# KiCad board misrc_v2.5.kicad_pcb (continued)
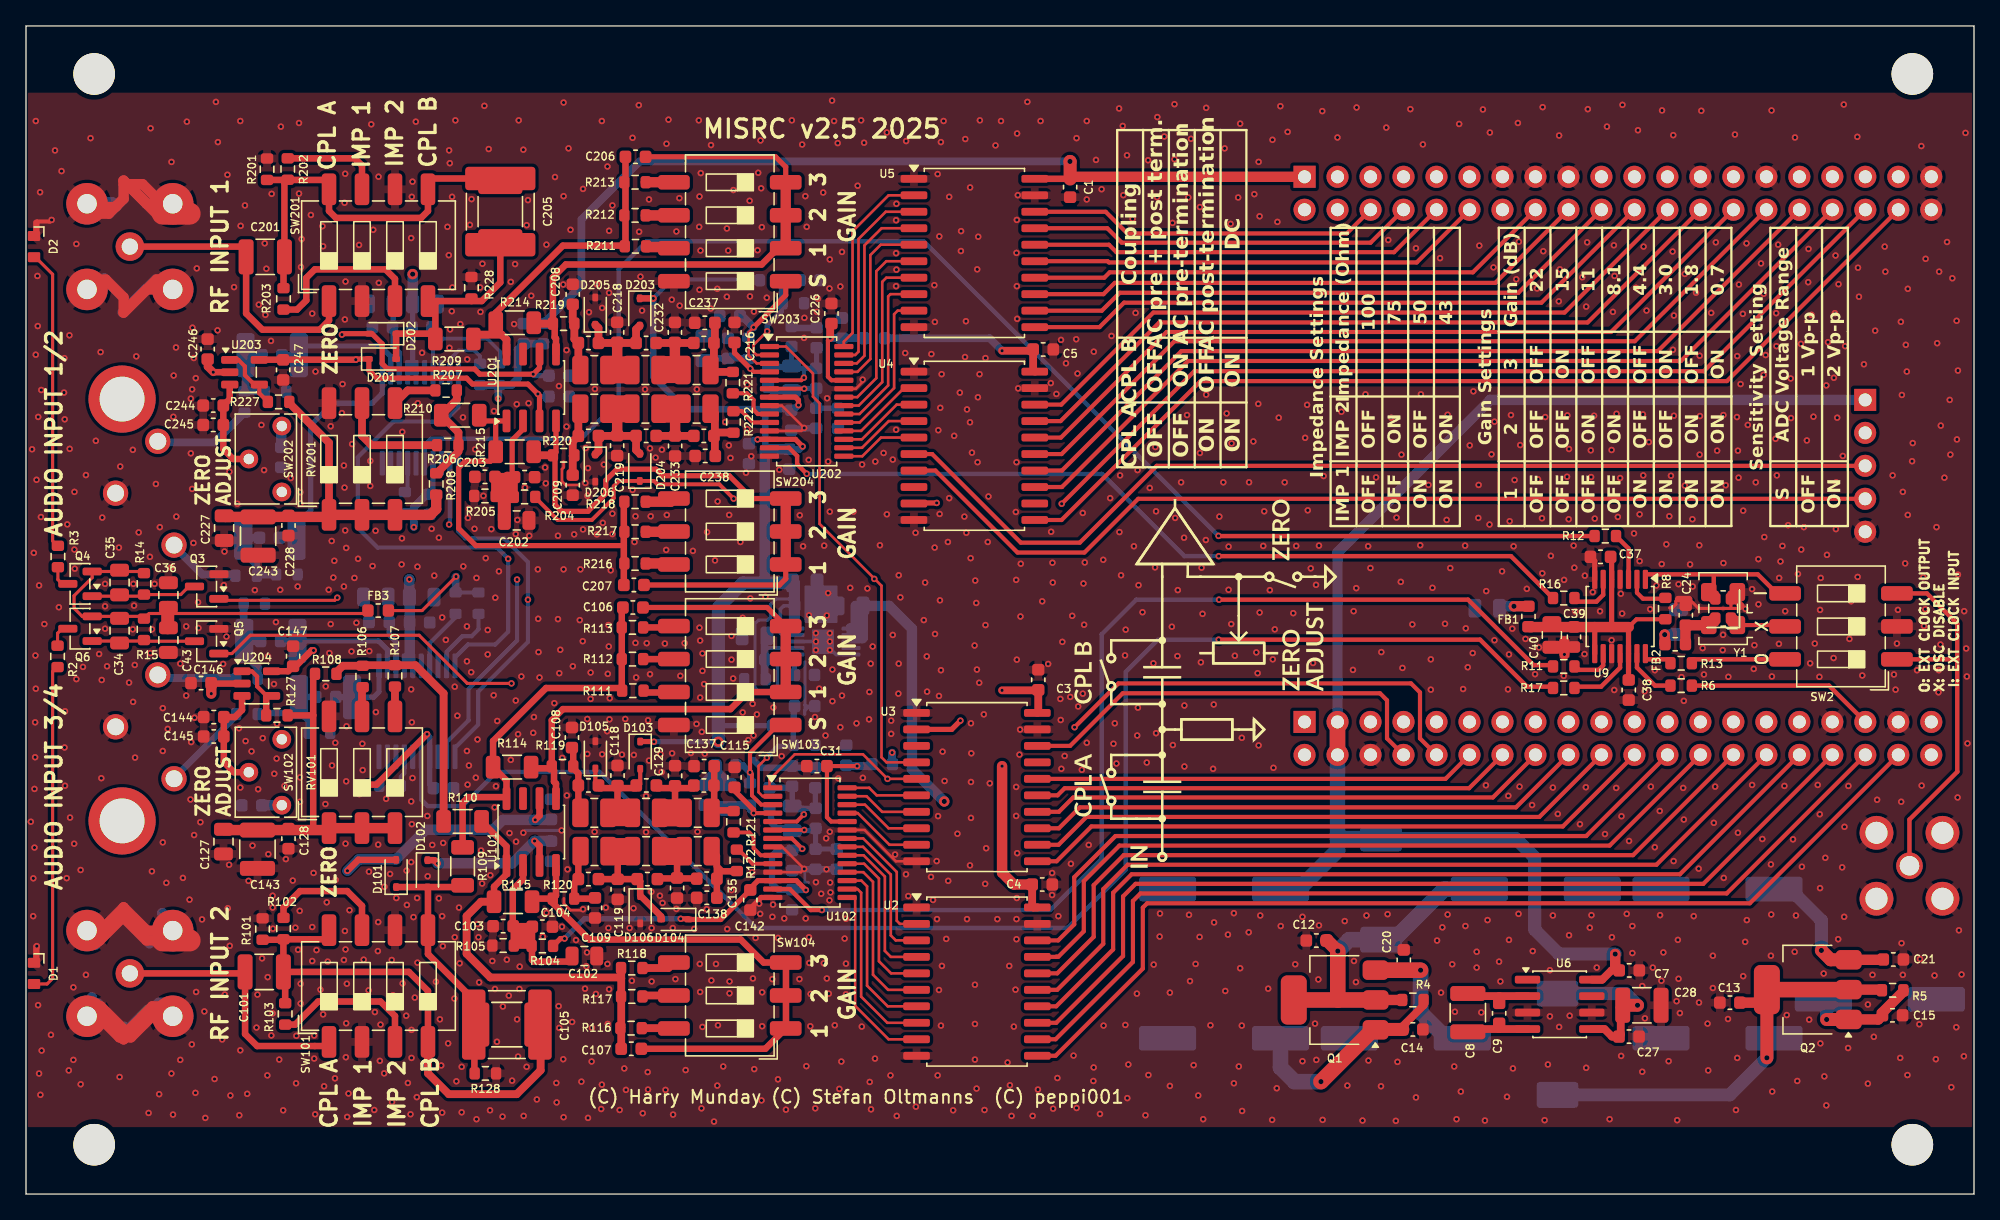
[diagram p0: board, top side]
## Routing (per net, layer and track width the routed paths; a pad name or vN(x,y) marks a point on that pad's centre or on a via; arc(x,y) is an arc through that point) (continued)
VCCQ: length 67.5
  Top w0.24: FB3.1 30.5,44.96 v1(33.12,47.57)
  Top w0.5: v1(26.31,31.55) 26.99,31.55 v1(30.88,35.43)
  In1.Cu w0.4: v1(26.31,31.55) 26.28,31.55
  In1.Cu w0.6: v1(36.37,61.29) 33.42,61.29 29.86,57.73 v1(29.86,51.38) 29.86,50.82 v1(33.12,47.57) 30.88,45.34 v1(30.88,35.43)
  Bottom w0.32: R406.1 33.08,46.35 R408.1
  Bottom w0.4: v1(30.88,35.43) 31.08,35.23 31.08,31.55 C309.2 ; v1(26.31,31.55) 27.2,31.55 27.22,31.53 ; 31.34,56.31 31.34,54.11
  Bottom w0.5: 35.24,62.24 35.41,62.24 ; 35.39,62.34 35.39,62.35
  Bottom w0.6: v1(33.12,47.57) 33.08,47.53 R406.1 ; FB301.2 39.81,65.52 C148.1 37.86,65.06 37.86,62.81 37.39,62.34 36.42,62.34 ; 36.42,62.34 36.37,62.29 v1(36.37,61.29) ; 36.42,62.34 35.39,62.34 ; C409.2 30.88,53.92 29.86,52.91 v1(29.86,51.38)
  Bottom w0.8: R305.1 29.65,52.43
VDD: length 250.6
  Top w0.2: 77.47,37.07 77.93,37.07 78.02,37.15
  Top w0.5: 77.47,78.22 80.38,78.22
  Top w0.6: v1(75.16,38.81) 77.91,38.81 C3.1 77.95,37.14 U3.20 ; U2.20 77.55,22.08 77.48,22.16 C4.1 ; 77.68,63.36 77.55,63.49 C5.1 77.45,64.97 v1(75.16,64.97)
  Top w0.8: FB2.1 126.18,42.39 v2(126.18,43.1) ; J2.1 80.42,78.38 C1.1 ; v1(75.16,32.97) 75.16,24.76 76.07,23.85 C4.1 ; FB1.1 v2(114.57,45.29)
  Top w1: v2(80.39,79.56) 80.4,79.55 80.4,78.21
  In1.Cu w0.6: v1(66.69,34.01) 67.74,32.97 v1(75.16,32.97) 75.15,32.97
  In1.Cu w0.8: J5.2 139.8,58.65 131.74,50.6 131.74,45.87 128.97,43.1 v2(126.18,43.1) 123.74,43.1 123.16,43.69 118.33,43.69 116.73,45.29 v2(114.57,45.29) 105.02,45.29 98.45,38.72 J1.1
  In1.Cu w1: 75.16,39.75 v1(75.16,38.81) v1(75.16,32.97) ; 75.16,39.75 v1(75.16,64.97) 75.16,77.68 77.04,79.56 v2(80.39,79.56) ; 75.16,39.75 91.87,39.75 95.24,36.38 J1.1
  Bottom w0.6: 66.12,65.95 FB201.1 74.19,65.94 v1(75.16,64.97) ; FB301.1 39.85,67.08 42.77,70 42.77,75.08 47.25,79.56 v2(80.39,79.56) ; FB101.1 66.69,33.15 v1(66.69,34.01)
  Bottom w0.8: C42.1 127.23,43.1 v2(126.18,43.1) ; C41.1 113.62,45.29 v2(114.57,45.29)
VDDA: length 170.1
  Top w0.3: v1(54.49,53.58) 53.38,54.69 48.61,54.69 48.35,54.94 D204.1 45.67,54.94 45.26,54.53 45.26,53.62 43.58,51.94 40.94,51.94 39.22,53.66 R204.2 ; 59.83,26.6 59.83,26.65
  Top w0.32: v1(59.78,26.6) 58.97,27.4 U102.7
  Top w0.4: v1(50.41,21.21) 50.98,21.21 51.01,21.18 ; v1(59.8,57.6) 59.25,58.15 U202.12 56.37,58.15 56.36,58.14 ; D103.1 48.34,34.86 v1(48.36,34.85) ; D104.1 53.5,21.15 C142.1 ; U202.7 59.25,61.4 59.48,61.17 v1(59.48,60.78) ; R104.2 41.15,19.68 v1(41.47,19.68) ; 57.25,24.15 59.33,24.15 v1(60.05,23.42) ; U102.12 56.36,24.15 55.72,23.51
  Top w0.5: D203.1 48.3,69.01 v1(48.3,69.01)
  In1.Cu w0.8: v2(53.31,34.85) 53.31,25.98 55.87,23.42 v1(60.05,23.42)
  Bottom w0.24: U7.6 58.07,41.57 57.85,41.35 57.85,38.97 57.65,38.76 56.38,38.76 56.13,39.02 56.13,43.94 56.41,44.22 57.12,44.22 57.32,44.43 57.32,45.42 57.75,45.85 58.76,45.85 59.16,45.44
  Bottom w0.28: 59.17,41.51 U7.6 ; U7.9 58.26,43.07 58.08,43.24 58.08,45.06 58.34,45.32 C26.1
  Bottom w0.3: 56.89,53.59 56.88,53.58 v1(54.49,53.58)
  Bottom w0.32: R224.1 56.45,70.47 49.76,70.47 v1(48.3,69.01)
  Bottom w0.4: C33.2 59.17,41.51 ; 59.83,26.6 59,26.6 C125.1 ; v1(48.36,34.85) v2(53.31,34.85) ; v1(41.47,19.68) 43,21.21 v1(50.41,21.21) ; R124.1 53.31,36.09 ; 56.94,58.14 56,58.14 C242.1
  Bottom w0.5: v1(60.05,23.42) 59.03,23.42 C124.1 57.92,23.45 57.45,23.93 57.45,26.06 57.86,26.47 C125.1 ; v1(59.48,60.78) 59.22,60.53 ; v1(59.8,57.6) 59.58,57.38 58.92,57.38 ; 56.94,60.48 50.79,60.48 48.3,62.97 v1(48.3,69.01) ; 56.94,60.48 56.94,60.48 58.85,60.48 C225.1 ; 56.94,60.48 56.94,57.38
  Bottom w0.8: 58.92,57.38 56.94,57.38 56.89,57.33 56.89,47.07
  Bottom w1: v2(53.31,34.85) 53.31,45.19 55.21,47.09 C25.1
  vias: v1(56.33,58.14)
VDDF: length 3.4
  Top w0.8: 129.42,43.69 Y3.4 129.56,43.82 C24.1 ; FB2.2 127.78,43.75
/Audio_ADC/BCK1: length 118.2
  Top w0.32: J1.10 107.34,35.11 107.34,38.65 106.65,39.34 84.12,39.34 v1(80.74,35.97)
  In2.Cu w0.32: v1(80.74,35.97) 79.75,34.98 72.18,34.98 71.16,35.99 71.16,47.17 69.95,48.39 54.81,48.39 52.22,45.8 v1(38.65,45.8)
  Bottom w0.32: 33.29,56.31 33.29,51.06 33.83,50.52 36.82,50.52 38.65,48.69 v1(38.65,45.8) 38.65,42.54 34.82,38.71 34.82,36.17 33.03,34.39 33.03,33.69
/Audio_ADC/DOUT1: length 63.6
  Top w0.4: 68.17,35.8 71.28,35.8 v1(71.95,36.47)
  In2.Cu w0.32: v1(71.95,36.47) 71.95,47.45 70.28,49.12 54.45,49.12 51.86,46.53 36.7,46.53 32.58,50.65 v1(32.58,51.59)
  Bottom w0.32: 32.64,56.31 32.64,51.64 v1(32.58,51.59)
/Audio_ADC/DOUT2: length 52.6
  Top w0.4: v1(70.12,53.25) 68.22,53.25 68.17,53.2
  In2.Cu w0.32: v1(70.12,53.25) 56.24,53.25 50.34,47.34 v1(37.81,47.34)
  Bottom w0.32: 32.38,33.69 32.38,34.8 34.08,36.5 34.08,38.91 37.81,42.65 v1(37.81,47.34)
/Audio_ADC/LRCK1: length 157.9
  Top w0.32: v1(79.75,53.19) 89.96,63.4 129.19,63.4 J2.36
  In2.Cu w0.32: v1(79.75,53.19) 76.6,53.19 75.34,54.45 53.07,54.45 47.57,48.95 v1(37.13,48.95)
  Bottom w0.32: 33.29,63.32 33.29,60.6 32.2,59.51 28.29,59.51 25.55,56.77 25.55,51.33 27.07,49.81 36.26,49.81 v1(37.13,48.95) 37.13,43.33 36.14,42.34 34.03,42.34 33.03,41.35 33.03,40.7
/Audio_ADC/SCKI1: length 113.3
  Top w0.338: R12.2 91.84,50.7
  Bottom w0.338: U301.15 30.69,57.69 31.18,58.19 42.74,58.19 45.64,61.09 45.64,71.25 47.8,73.41 69.13,73.41 v1(91.83,50.71)
/Audio_ADC/SCKI2: length 116.4
  Top w0.338: v1(91.84,42.71) 111.97,42.71 115.59,39.09 117.58,39.09
  Bottom w0.338: 30.43,33.69 30.43,30.39 30.93,29.9 33.62,29.9 36.25,32.52 44.18,32.52 56.2,20.5 80.18,20.5 84.68,24.99 84.68,40.23 87.16,42.71 v1(91.84,42.71)
/AUX1: length 77.6
  Top w0.32: J5.4 85.64,53.57 81.5,49.43 76.35,49.43 70.03,55.75 U4.7
  Top w0.4: 68.18,55.75 68.17,55.75
/AUX2: length 78.5
  Top w0.32: J5.3 87.06,56.11 81.15,50.19 76.6,50.19 69.77,57.02 U4.6
/clk_in: length 13.4
  Top w0.338: SW2.4 134.82,46.28 133.35,47.75 129.95,47.75 ; 129.95,47.75 124.73,47.75 124.7,47.71 U9.1 ; 129.95,47.75 129.96,47.74 Y1.3
/clk_out: length 7.2
  Top w0.338: SW2.6 128.27,41.2
/DA0: length 14.6
  Top w0.2: 68.17,11.92 66.42,11.92 63.85,14.49 63.85,22.83 63.83,22.85 62.97,22.85
/DA1: length 14.2
  Top w0.2: 62.97,23.5 64.03,23.5 64.31,23.22 64.31,15.21 66.32,13.19 68.17,13.19
/DA2: length 13.7
  Top w0.2: 68.17,14.46 66.35,14.46 64.76,16.05 64.76,23.71 64.33,24.15 62.97,24.15
/DA3: length 13.1
  Top w0.2: 62.97,24.8 64.47,24.8 65.22,24.05 65.22,16.9 66.38,15.73 68.17,15.73
/DA4: length 12.4
  Top w0.2: 62.97,25.45 64.54,25.45 65.68,24.31 65.68,17.94 66.61,17 68.17,17
/DA5: length 11.8
  Top w0.2: 62.97,26.1 64.49,26.1 66.14,24.46 66.14,18.73 66.59,18.27 68.17,18.27
/DA6: length 10.9
  Top w0.2: 62.97,26.75 64.45,26.75 66.59,24.61 66.59,19.92 66.97,19.54 68.17,19.54
/DA7: length 10.1
  Top w0.2: 62.97,27.4 64.46,27.4 67.05,24.82 67.05,21.06 67.29,20.81 68.17,20.81
/DA8: length 6.2
  Top w0.2: 68.17,26.91 66.49,26.91 64.05,29.35 62.97,29.35
/DA9: length 6
  Top w0.2: 68.17,28.18 66.42,28.18 64.6,30 62.97,30
/DA10: length 5.3
  Top w0.2: 67.78,29.45 65.92,29.45 64.72,30.65 62.97,30.65
/DA11: length 5
  Top w0.2: 62.97,31.3 64.92,31.3 65.5,30.72 67.78,30.72
/DB0: length 5.4
  Top w0.2: 67.78,58.28 65.83,58.28 64.4,56.85 U202.15
/DB1: length 6.1
  Top w0.2: 68.17,59.56 66.43,59.56 64.38,57.5 U202.16
/DB2: length 6.3
  Top w0.2: U202.17 64.37,58.15 67.04,60.83 68.17,60.83
/DB3: length 7.2
  Top w0.2: U202.18 64.31,58.8 67.6,62.09 68.17,62.09 67.52,62.09
/DB4: length 12.1
  Top w0.2: 68.17,68.06 67.12,68.06 66.85,67.79 66.85,62.1 64.19,59.45 U202.19
/DB5: length 13
  Top w0.2: 68.17,69.33 66.56,69.33 66.39,69.16 66.39,62.31 64.18,60.1 U202.20
/DB6: length 13.8
  Top w0.2: 68.17,70.6 66.25,70.6 65.93,70.29 65.93,62.56 64.12,60.75 U202.21
/DB7: length 14.4
  Top w0.2: U202.22 64.01,61.4 65.47,62.86 65.47,71.1 66.25,71.87 68.17,71.87
/DB8: length 13.5
  Top w0.2: U202.25 64.03,63.35 65.02,64.34 65.02,72.35 65.81,73.14 67.78,73.14
/DB9: length 14.1
  Top w0.2: 67.78,74.41 65.88,74.41 64.56,73.09 64.56,64.59 63.97,64 U202.26
/DB10: length 14.9
  Top w0.2: U202.27 63.85,64.65 64.1,64.9 64.1,73.58 66.2,75.68 68.17,75.68
/DB11: length 14.8
  Top w0.2: U202.28 62.97,65.67 63.65,66.35 63.65,74.18 66.42,76.95 68.17,76.95
/Input_ADC_CH1/CLK: length 65.6
  Top w0.338: v1(60.12,55.5) 59.38,56.23 59.38,56.87 58.75,57.5 U202.13 ; 117.58,45.77 117.58,45.91 114.34,49.15 v1(91.84,49.15)
  Bottom w0.338: v1(60.12,55.5) 60.13,55.48 82.86,55.48 89.2,49.15 v1(91.84,49.15)
/Input_ADC_CH2/CLK: length 82.9
  Top w0.338: v1(91.87,45.8) 111.04,45.8 116.09,40.75 117.58,40.75 ; U102.13 58.81,23.5 60.43,21.88 v1(61.28,21.88)
  Bottom w0.338: v1(61.28,21.88) 78.87,21.88 82.82,25.83 82.82,43.13 85.49,45.8 v1(91.87,45.8)
/osc_en: length 4.3
  Top w0.32: SW2.5 135.35,43.84 Y3.1 ; Y1.1 131.98,44.19
/OTRA: length 69.4
  Top w0.2: 57.25,31.3 57.25,31.93 59.2,33.88 64.45,33.88 v1(66.34,31.99) 67.78,31.99
  Top w0.24: v1(37.38,39.34) 33.98,39.34 30.27,43.05 17.27,43.05 15.86,41.65 Q5.1
  In2.Cu w0.24: v1(66.34,31.99) 66.33,31.99 64.41,33.91 59.53,33.91 57.19,36.25 55.01,36.25 53.89,37.36 43.02,37.36 41.7,38.68 38.04,38.68 v1(37.38,39.34)
/OTRB: length 90.9
  Top w0.2: 68.17,33.26 66.27,33.26 65.88,33.65 65.88,46.87 61.11,51.64 61.11,60.93 60.6,61.44 60.6,63.22 58.52,65.3 U202.1
  Top w0.24: v1(23.97,45.95) 23.77,45.74 14.46,45.74 14.34,45.86
  In2.Cu w0.24: v1(65.32,47.4) 54.78,47.4 52.44,45.06 24.86,45.06 v1(23.97,45.95)
IN1_L: length 5.6
  Bottom w0.6: 11.4,49.92 13.58,47.74 16.12,47.74
IN1_R: length 7.6
  Bottom w0.6: R301.1 14.53,57.92 10.15,57.92
IN2_L: length 6.9
  Bottom w0.5: 16.19,36.93 16.19,36.84 11.4,32.06 J301.2
IN2_R: length 6.1
  Bottom w0.6: 16.2,39.75 10.31,39.75 10.15,39.92
VD: length 32.1
  Top w0.24: 7.21,47.96 9.01,47.96 9.09,47.89 ; 7.21,47.96 7.21,48.02 ; 7.21,47.96 Q4.2 5.1,47.5 3.7,46.1 3.7,45.14 4.33,44.51 Q6.2 8.91,44.51 R15.1 9.48,44.73 26.27,44.73
  Top w1: 10.92,43.63 10.92,45.2
Net-(C37-Pad1): length 22.3
  Top w0.32: 123.41,43.69 124.01,44.28 R8.2
  Top w0.4: U9.8 120.8,43.69 ; C37.1 122.1,49.02 U9.5 122.1,43.69 122.09,43.69 ; C38.1 123.4,39.63 U9.12 123.4,43.67 123.41,43.69
  Top w0.8: 115.78,43.69 123.41,43.69
Net-(C101-Pad2): length 42.6
  Top w0.2: SW101.8 23.33,19.78 23.18,19.63
  Top w0.5: R102.2 19.8,19.59 R101.2 ; R102.2 23.18,19.63 ; R102.2 19.82,19.62 C101.2 ; C101.2 19.96,16.98 19.96,14.71 ; C101.2 29.49,17.11 30.95,15.65 30.95,12.5
  Top w0.6: 39.63,13.18 39.63,9.53 37.79,7.7 32.56,7.7 30.95,9.3 30.95,12.5
Net-(C106-Pad2): length 43.4
  Top w0.4: SW103.4 57.07,45.19 47.51,45.19
  Top w0.5: 40.49,32.8 40.66,32.63 40.66,31.77 40.81,31.62 U101.5 ; 40.49,32.8 40.49,36.51 41.34,37.36 54.25,37.36 55.57,38.68 SW103.2 ; 40.49,32.8 38.98,32.8 R114.2
  Top w0.8: SW103.3 58.5,41.25 ; 58.5,41.25 SW103.4 ; 58.5,41.25 SW103.2
Net-(C107-Pad2): length 41.4
  Top w0.5: U101.4 40.81,23.01 R120.1 ; R120.1 40.56,22.42 43.38,19.61 55.03,19.61 56.8,17.84 58.52,17.84 58.52,12.76 ; R120.1 40.61,22.76 ; R120.1 39.2,22.76 R115.2 ; C107.2 56.94,11.19 SW104.1
Net-(C108-Pad2): length 5.4
  Top w0.5: 42.69,29.19 42.53,29.35 42.53,32.41 42.14,32.8 42.14,34.22 42.04,34.32
Net-(C109-Pad1): length 5.6
  Top w0.5: C109.1 43.75,22.76 R120.2 ; 42.16,22.71 R120.2 ; R120.2 42.21,23.95 C117.1 42.53,26.29 42.7,26.46
Net-(C127-Pad1): length 27.6
  Top w0.5: R127.1 22.12,36.88 ; 22.12,36.88 22.12,40.21 22.12,40.21 22.25,40.21 ; 22.12,36.88 22.12,28.04
  Top w0.8: C127.1 15.27,28.04 C143.2 23.18,28.04 SW102.1 SW102.3
Net-(C129-Pad2): length 6.8
  Top w0.5: 49.93,29.19 49.98,29.24 49.98,31.27 ; 49.93,29.19 50.65,29.19 ; 49.93,29.19 48.82,29.19 ; 51.42,31.28 51.42,31.28 48.54,31.28
Net-(C130-Pad2): length 7
  Top w0.5: 50.13,24.41 50.13,26.25 49.93,26.46 ; 51.65,24.28 51.61,24.32 48.62,24.32 ; 48.83,26.46 49.93,26.46 ; 49.93,26.46 50.65,26.46
Net-(C134-Pad2): length 6.1
  Top w0.5: 52.97,31.28 52.97,31.33 52.99,31.34 ; R121.1 54.43,29.56 52.99,29.56 52.99,30.33 ; 52.99,32.84 52.99,31.34 ; 52.99,31.34 52.99,30.33 ; 52.8,29.19 52.99,29.39 52.99,30.33
Net-(C135-Pad2): length 5.6
  Top w0.5: R122.1 54.36,24.89 54.34,24.87 53.58,24.87 53.2,25.25 ; 53.2,25.25 53.2,26.06 52.8,26.46 ; 53.2,25.25 53.2,22.7
Net-(C201-Pad2): length 31.6
  Top w0.5: C205.1 31.28,78.25 30.95,77.92 30.95,75.74 30.42,75.21 23.87,75.21 23.33,75.74 23.33,78.03 23.23,78.14 20.11,78.14 ; 20.11,78.14 20.12,78.15 R202.2 19.9,77.89 C201.2 19.83,72.13 R203.2 ; 20.11,78.14 R201.2
Net-(C206-Pad2): length 43.7
  Top w0.4: 47.71,79.92 57.72,79.92 58.5,79.14 SW203.4
  Top w0.5: SW203.2 57.9,72.88 56.65,71.62 41.57,71.62 40.58,70.63 R219.1 40.71,66.93 40.71,66.01 40.81,65.91 U201.5
  Top w0.6: 39.09,67.07 40.57,67.07 R219.1
  Top w0.8: SW203.4 58.5,75.41 ; 58.5,75.41 58.5,75.42 ; 58.5,75.41 SW203.2
Net-(C207-Pad2): length 46.4
  Top w0.4: SW204.3 55.9,53.59 54.15,55.35 49.02,55.35 48.51,55.85 45.51,55.85 44.65,54.99 44.65,53.97 43.28,52.6 41.24,52.6 40.74,53.11 40.74,56.76 R220.1 40.81,57.16 U201.4 ; SW204.1 58.5,47.41 58.02,46.93 C207.2
  Top w0.6: R215.2 39.36,56.92 R220.1
  Top w0.8: SW204.3 SW204.1
Net-(C208-Pad2): length 5.3
  Top w0.6: C208.2 42.1,67.19 R219.2 42.22,65.88 C210.1 42.53,63.64 L201.1
Net-(C209-Pad1): length 5.5
  Top w0.6: 42.1,56.87 42.15,56.92 R220.2 ; 42.1,56.87 C209.1 ; 42.1,56.87 42.1,57.98 C217.1 42.53,60.35 L202.2
Net-(C227-Pad1): length 27.7
  Top w0.6: R227.1 20.28,60.95 23.33,57.89 SW202.1
  Top w0.8: C227.1 15.34,52.17 C243.2 23.18,52.17 SW202.1 SW202.3 31.14,52.33 31.59,52.78 R208.2
Net-(C229-Pad2): length 6.9
  Top w0.6: C234.1 C229.2
  Top w0.8: 49.68,63.49 49.97,63.78 C232.2 ; 49.68,63.49 L203.2 ; 49.68,63.49 L205.1
Net-(C230-Pad2): length 6.9
  Top w0.6: C230.2 C235.1
  Top w0.8: L204.1 49.68,60.51 ; 49.68,60.51 49.98,60.2 C233.2 ; 49.68,60.51 L206.2
Net-(C234-Pad2): length 5.5
  Top w0.6: C237.2 53.05,65.65 C234.2 52.97,63.75 L205.2 52.86,63.34 54.38,63.34
Net-(C235-Pad2): length 5.4
  Top w0.6: L206.1 53.05,60.17 53.05,56.87 ; C235.2 53.23,58.67 54.5,58.67
Net-(C302-Pad1): length 7.1
  Bottom w0.5: C302.1 16.91,64.64 C303.1
  Bottom w0.6: R303.2 18.36,61.86 R301.2 16.91,61.95 C302.1 16.87,64.67 ; 16.86,64.52 16.86,65.9
Net-(C304-Pad1): length 6
  Bottom w0.6: 17.97,50.56 C304.1 16.74,50.57 C305.1 16.73,49.53 17.72,48.54 17.72,47.74 17.73,47.73 R304.2
Net-(C402-Pad1): length 7.5
  Bottom w0.6: R403.2 16.76,42.66 C402.1 ; 17.85,39.75 17.85,40.59 16.81,41.63 C402.1 ; C402.1 16.82,42.6 C403.1 18.05,42.61
Net-(C404-Pad1): length 8.5
  Bottom w0.5: 17.84,37.06 20.57,37.06 21.02,37.51 C405.1 21.02,37.22 21.77,36.46 R404.2 ; C404.1 21.03,38.3
Net-(D1-A): length 25.7
  Top w0.24: 0.8,16.19 1.62,16.19 2.05,16.61 2.05,40.26 2.39,40.6 R2.2 2.37,40.6
Net-(D2-A): length 22.9
  Top w0.24: R3.2 2.42,49.95 2.05,50.32 2.05,70.87 0.8,72.12 0.8,72.19
Net-(D101-K): length 20.8
  Top w0.5: 33.62,23.66 33.61,23.65 D101.1 ; 34.58,9.47 34.53,9.52 34.53,14.92 30.95,18.49 30.95,23.58 D102.2
Net-(D103-A): length 9.8
  Top w0.32: 46.99,31.28 47.3,31.58 47.3,32.61 ; 44.08,31.28 43.84,31.52 43.84,32.56
  Top w0.5: 45.55,31.37 45.55,29.25 45.48,29.19 ; 44.08,31.28 46.99,31.28 ; 45.48,29.19 46.67,29.19 ; 45.48,29.19 44.84,29.19
Net-(D104-A): length 11.3
  Top w0.32: 43.86,24.05 C117.2
  Top w0.5: 48.91,21.18 48.91,21.39 47.29,23.01 47.29,24.1 47.07,24.32 47.02,24.26 C117.2 ; C119.2 45.56,26.28 45.74,26.46 ; 44.85,26.46 45.74,26.46 ; 45.74,26.46 46.67,26.46
Net-(D201-A): length 17.4
  Top w0.4: R228.1 34.3,68.81 34.31,68.8
  Top w0.5: 28.5,64.34 28.5,66.27 D202.1 31.11,66.29 R209.1 31.52,68.63 31.69,68.8 ; 31.69,68.8 SW201.4 ; 31.69,68.8 35.09,68.8 36.52,70.23 C205.2
Net-(D203-A): length 9.8
  Top w0.6: D203.2 46.98,66.62 46.98,65.57 C210.2 44.08,66.73 D205.1
  Top w0.8: L201.2 45.61,63.49 ; 45.61,63.49 45.52,63.58 C218.2 ; 45.61,63.49 L203.1
Net-(D204-A): length 9.9
  Top w0.6: 47.26,57.04 46.98,57.33 46.98,58.41 C217.2 44.08,57.23 D206.1
  Top w0.8: 45.87,60.51 L204.2 ; 45.87,60.51 45.52,60.16 45.52,58.44 ; 45.87,60.51 L202.1
Net-(J1-DQ0): length 78.7
  Top w0.32: U2.11 79.28,10.65 86,17.37 86,22.07 86.33,22.4 132.74,22.4 J1.38
Net-(J1-DQ1): length 75.6
  Top w0.32: J1.36 130.96,23.16 85.82,23.16 85.24,22.58 85.24,17.88 79.28,11.92 U2.12
Net-(J1-DQ2): length 72.5
  Top w0.32: J1.34 129.15,23.9 85.44,23.9 84.47,22.94 84.47,18.34 79.33,13.19 U2.13
Net-(J1-DQ3): length 69.3
  Top w0.32: U2.14 79.33,14.46 83.71,18.85 83.71,23.22 85.13,24.64 127.35,24.64 J1.32
Net-(J1-DQ4): length 66.1
  Top w0.32: J1.30 125.55,25.37 84.83,25.37 82.95,23.49 82.95,19.28 79.41,15.73 U2.15
Net-(J1-DQ5): length 62.9
  Top w0.32: U2.16 79.41,17 82.21,19.81 82.21,23.8 84.52,26.11 123.74,26.11 J1.28
Net-(J1-DQ6): length 59.8
  Top w0.32: J1.26 121.94,26.85 84.19,26.85 81.45,24.1 81.45,20.24 79.5,18.29 79.34,18.29 79.33,18.27 U2.17
Net-(J1-DQ7): length 56.6
  Top w0.32: J1.24 120.14,27.58 83.89,27.58 80.71,24.41 80.71,20.78 79.48,19.54 U2.18
Net-(J1-DQ8): length 49.4
  Top w0.32: J1.22 118.33,28.32 82.04,28.32 79.36,25.64 U3.11
Net-(J1-DQ9): length 46.3
  Top w0.32: U3.12 79.51,26.91 81.65,29.06 116.53,29.06 J1.20
Net-(J1-DQ10): length 43.2
  Top w0.32: U3.13 79.53,28.18 81.15,29.79 114.73,29.79 J1.18
Net-(J1-DQ11): length 40.2
  Top w0.32: J1.16 112.95,30.56 80.64,30.56 79.53,29.45 U3.14
Net-(J1-DQ12): length 37.1
  Top w0.32: J1.14 111.12,31.27 79.98,31.27 79.43,30.72 U3.15
Net-(J1-DQ13): length 34
  Top w0.32: J1.12 109.3,31.99 U3.16
Net-(J1-DQ15): length 33.6
  Top w0.32: J1.8 104.8,35.11 104.8,38.04 104.26,38.58 84.45,38.58 80.4,34.53 U3.18
Net-(J1-PCLK): length 14.5
  Top w0.338: J1.35 138.83,39.17 R6.2
Net-(J2-DQ16): length 76.4
  Top w0.32: U4.11 79.74,51.94 90.44,62.64 130.97,62.64 J2.38
Net-(J2-DQ18): length 70.3
  Top w0.32: J2.34 127.44,64.19 89.48,64.19 79.77,54.47 U4.13
Net-(J2-DQ19): length 67.2
  Top w0.32: J2.32 125.66,64.95 88.97,64.95 79.77,55.75 U4.14
Net-(J2-DQ20): length 64.1
  Top w0.32: J2.30 123.88,65.71 88.44,65.71 79.74,57.02 U4.15
Net-(J2-DQ21): length 61.1
  Top w0.32: J2.28 122.05,66.42 87.83,66.42 79.69,58.28 77.68,58.28
Net-(J2-DQ22): length 58
  Top w0.32: J2.26 120.25,67.16 87.27,67.16 79.67,59.56 U4.17
Net-(J2-DQ23): length 54.9
  Top w0.32: U4.18 79.72,60.83 86.81,67.92 118.47,67.92 J2.24
Net-(J2-DQ24): length 49.9
  Top w0.32: J2.22 116.69,68.68 84.55,68.68 82.66,66.79 U5.11
Net-(J2-DQ25): length 46.9
  Top w0.32: J2.20 114.91,69.44 84.22,69.44 82.84,68.06 U5.12
Net-(J2-DQ26): length 43.8
  Top w0.32: U5.13 82.97,69.33 83.84,70.2 113.14,70.2 J2.18
Net-(J2-DQ27): length 40.7
  Top w0.32: J2.16 111.41,71.02 83.45,71.02 83.03,70.6 U5.14
Net-(J2-DQ28): length 35.2
  Top w0.32: J2.12 107.09,71.78 83.38,71.78 83.29,71.87 U5.15
Net-(J2-DQ29): length 32.5
  Top w0.32: U5.16 83.39,73.14 83.97,72.57 105.34,72.57 J2.10
Net-(J2-DQ30): length 29.9
  Top w0.32: J2.8 103.53,73.3 84.37,73.3 83.26,74.41 U5.17
Net-(J2-DQ31): length 27.3
  Top w0.32: U5.18 83.14,75.68 84.8,74.02 101.71,74.02 J2.6
Net-(J4-Pin_1): length 30.9
  Top w0.32: 144.54,46.36 144.45,46.28 SW2.3
  Top w0.338: SW2.1 148.71,41.2 ; SW2.3 146.37,46.28 148.71,43.94 148.71,32.54 145.03,28.86 J4.1
Net-(J101-Signal): length 21.2
  Top w0.5: 16.83,17.15 16.87,17.11 ; 16.87,17.11 16.76,17 7.64,17 ; 16.87,17.11 16.87,12.33 17.8,11.4 23.26,11.4 23.33,11.48 SW101.1
Net-(J201-Signal): length 22.6
  Top w0.5: 16.95,72.21 16.95,72.88 16.83,73 8.11,73 ; 16.95,72.21 16.95,72.21 ; 16.95,72.21 16.95,67.85 18.21,66.6 22.62,66.6 23.33,67.31 SW201.1 ; 8.12,72.22 8.11,72.21
Net-(Q1-B): length 16.7
  Top w0.6: 103.95,12.68 Q1.1 ; C14.1 106.02,12.94 107.62,14.54 R4.2
  Top w1: C14.1 103.95,12.68
  Top w1.2: Q1.1 103.71,12.65 v2(99.71,8.66)
  Bottom w1.2: v2(99.71,8.66) 97.68,8.66 96.6,9.74 C16.1
Net-(Q2-B): length 8.6
  Top w0.8: Q2.1 142.62,13.45 C15.1 142.95,13.99 144.56,15.6 ; 144.58,15.67 R5.2
  Top w1: v2(138.65,13.45) Q2.1
  Bottom w1: C17.2 138.65,14.75 v2(138.65,13.45)
Net-(Q2-C): length 37.2
  Top w0.8: C13.1 133.94,14.75 134.05,14.85 Q2.2 ; Q2.2 142.86,15.75
  Top w1: Q2.2 v2(134.05,10.5)
  Top w1.2: Q2.2 Q2.2
  Bottom w1: L2.2 131.2,7.64 v2(134.05,10.5) 134.05,11.45 C11.2 133.56,12
Net-(Q3-D): length 7.7
  Top w0.24: Q4.1 8.96,46.06 R14.2 11.92,46.19 12.47,46.74 12.47,46.81
Net-(Q4-D): length 2.3
  Top w0.24: 2.74,47.01 Q4.3 2.79,47.01 2.46,47.34 R3.1
Net-(Q5-D): length 7.4
  Top w0.24: 12.47,42.6 9.18,42.6 R15.2 9.01,42.61 Q6.1
Net-(Q6-D): length 2.4
  Top w0.24: R2.1 2.43,43.2 2.79,43.56 Q6.3 2.74,43.56
Net-(R102-Pad1): length 8.9
  Top w0.5: 25.87,21.11 25.87,22.2 24.73,23.34 21.1,23.34 19.83,22.07 R102.1
Net-(R103-Pad1): length 10.9
  Top w0.5: R103.1 20.72,13.06 22.5,14.83 27.3,14.83 28.41,13.72 28.41,12.5
Net-(R106-Pad1): length 19.2
  Top w0.6: 23.9,40.21 24.4,40.7 R106.1 25.97,40.75 R107.1 29.98,40.75 32.16,38.57 R110.1
Net-(R106-Pad2): length 2.3
  Top w0.6: R106.2 25.87,39 SW102.5
Net-(R107-Pad2): length 2.3
  Top w0.6: R107.2 28.41,36.81 SW102.4
Net-(R111-Pad2): length 2.4
  Top w0.5: SW103.7 49.86,38.64 47.53,38.64
Net-(R112-Pad2): length 2.4
  Top w0.5: R112.2 49.89,41.22 SW103.6
Net-(R113-Pad2): length 2.4
  Top w0.5: SW103.5 49.79,43.66 R113.2
Net-(R116-Pad2): length 2.5
  Top w0.6: R116.2 49.87,12.78 SW104.6
Net-(R117-Pad2): length 2.4
  Top w0.6: SW104.5 47.55,15.3 R117.2
Net-(R118-Pad2): length 2.6
  Top w0.6: SW104.4 49.46,17.41 R118.2
Net-(R202-Pad1): length 7.8
  Top w0.5: 25.87,77.41 25.87,79.25 25.32,79.8 R202.1
Net-(R203-Pad1): length 12.9
  Top w0.5: 19.83,68.15 20.87,68.15 21.58,68.86 21.58,70.59 22.24,71.25 27.68,71.25 28.41,70.51 SW201.3
Net-(R206-Pad1): length 8
  Top w0.6: R207.1 33.17,61.21 R210.1 33.3,58.68 R206.1 33.3,57.21 31.84,55.75 31.84,55.54
Net-(R206-Pad2): length 8.6
  Top w0.6: R206.2 26.6,57.7 25.87,58.42 SW202.5
Net-(R207-Pad2): length 3.5
  Top w0.6: 31.53,61.92 29.39,61.92 SW202.4
Net-(R211-Pad2): length 2.2
  Top w0.8: 47.73,72.96 49.8,72.96 SW203.7
Net-(R212-Pad2): length 2.2
  Top w0.8: R212.2 49.88,75.41 49.89,75.42
Net-(R213-Pad2): length 2.2
  Top w0.8: R213.2 49.89,77.96 SW203.5
Net-(R216-Pad2): length 2.2
  Top w0.8: SW204.6 49.81,48.58 R216.2
Net-(R217-Pad2): length 2.2
  Top w0.8: SW204.5 49.87,51.03 R217.2
Net-(R218-Pad2): length 2.3
  Top w0.8: SW204.4 49.64,53.34 R218.2
Net-(U6-CAP+): length 5.2
  Top w0.6: 113.43,15.25 111.22,15.25 C8.1 ; 113.43,15.25 U6.2 ; 113.43,15.25 113.44,15.25 C9.1
Net-(U6-CAP-): length 5.1
  Top w0.6: C9.2 113.44,12.71 113.43,12.71 ; 113.43,12.71 111.23,12.71 C8.2 ; 113.43,12.71 U6.4
Net-(U6-VOUT): length 13.5
  Top w0.6: 122.8,14.39 122.8,12.27 C27.2 122.13,12.13 121.55,12.71 U6.5
  Top w0.8: 123.03,14.54 C28.2 ; C28.2 122.8,14.39 ; C28.2 122.87,14.46 122.87,13.65
  Top w1: C28.2 v2(124.09,14.54)
  Bottom w1: L2.1 123.19,15.44 v2(124.09,14.54)
Net-(U7-SET): length 5
  Bottom w0.28: U7.7 57.21,42.07
  Bottom w0.6: 56.88,43 56.88,41.45 ; 56.88,41.07 56.88,39.59
Net-(U9-1G): length 3.5
  Top w0.32: U9.2 124.05,46.33 124.5,45.87 126.03,45.87 126.19,46.03 126.23,46.03
Net-(U9-Y0): length 3.7
  Top w0.338: R12.1 123.4,49.74 U9.3
Net-(U9-Y1): length 2.3
  Top w0.338: 126.62,41.2 124.76,41.2 124.7,41.26 U9.14
Net-(U9-Y2): length 5.2
  Top w0.338: 119.23,39.09 121.28,39.09 122.75,40.56 U9.11
Net-(U9-Y3): length 4.2
  Top w0.338: 126.62,39.17 125.44,39.17 124.05,40.56 U9.13
Net-(U9-Y4): length 3.5
  Top w0.338: U9.6 121.45,46.17 120.92,45.64 119.32,45.64
Net-(U9-Y5): length 3.4
  Top w0.338: 119.23,40.75 119.6,40.39 121.1,40.39 121.45,40.73 U9.9
Net-(U101-+): length 29.9
  Top w0.5: 45.88,43.66 45.88,45.11 C106.1 ; 45.88,43.66 45.88,41.25 ; 45.88,43.66 R113.1 ; 33.62,26.59 33.62,30.15 34.06,30.58 36.89,30.58 U101.8 37,31.86 R114.1 35.97,34.91 40.05,38.99 45.88,38.99 45.88,41.25 ; 45.88,41.25 R112.1
Net-(U101--): length 31.9
  Top w0.5: R115.1 36.04,23.68 37,24.64 U101.1 37,26.79 R110.2
  Top w0.6: 45.82,17.42 R118.1 45.83,17.4 45.83,16.61 ; R115.1 35.04,22.52 33.93,21.41 33.93,18.52 35.76,16.69 45.76,16.69 45.83,16.61 ; 45.83,12.81 45.81,12.78 R116.1 ; 45.83,12.81 C107.1 ; 45.83,12.81 45.83,15.22 ; 45.83,16.61 45.83,15.22 ; 45.83,15.22 45.83,15.22 R117.1
Net-(U101-VCM): length 16.4
  Top w0.5: C103.1 38.98,20.64 39.01,20.67 38.96,20.62 38.96,19.12 ; C103.1 37.48,20.67 37.48,23.47 38.27,24.26 U101.2 ; C103.1 37.57,20.59 R105.2 38.93,19.15 38.96,19.12 ; C103.1 37.61,20.74 ; 38.96,19.12 38.96,18.05 39.11,17.91 41.99,17.91 42.21,18.13
  Top w1: 38.3,19.5 38.3,20.3
Net-(U102-DRVDD): length 9.8
  Top w0.32: 62.97,28.7 62.01,28.7 61.67,29.03 61.67,32.97 v1(64,32.97)
  Bottom w0.4: 64.03,33 v1(64,32.97)
  Bottom w0.6: FB101.2 65,32.97 v1(64,32.97) 63.22,32.97 C126.1
Net-(U102-IN): length 4
  Top w0.3: 57.25,26.1 56.57,26.1 56.03,26.64 56.03,27.53 55.7,27.86 R121.2
Net-(U102-MODE): length 9.6
  Top w0.2: 56.9,33.47 v1(57.05,33.62) 56.41,32.98 56.41,30.96 56.72,30.65 57.25,30.65
  Bottom w0.4: 59.08,36.08 59.08,34.51 59.07,34.5 57.92,34.5 v1(57.05,33.62)
  Bottom w0.5: 59.12,36.13 59.12,37.53 C140.1
Net-(U102-REFB): length 10
  Top w0.3: v1(59.9,29.25) 59.35,28.7 57.25,28.7
  Bottom w0.4: 59,31.43 C136.2 59.17,29.72 59.84,29.72 ; 59.84,29.72 59.84,29.31 v1(59.9,29.25) ; 59.84,29.72 60.8,29.72 60.78,29.75 C114.2
  Bottom w0.5: 57.38,31.3 59,31.3
Net-(U102-REFT): length 10.9
  Top w0.3: 57.25,28.05 v1(59.92,28.05)
  Bottom w0.2: 59.12,28.05 59,28.17
  Bottom w0.4: C136.1 60.62,28 C121.1 C112.2 C111.2
  Bottom w0.5: 57.38,29.75 57.38,28.62 57.83,28.17 59,28.17
Net-(U102-SENSE): length 11.6
  Top w0.2: 58.05,36.14 57.7,35.79 ; SW103.1 58.06,36.14 58.06,36.14
  Top w0.3: 57.25,30 56.61,30 55.9,30.71 55.9,32.34 v1(55.75,32.49)
  Top w0.32: SW103.1 57.9,36.14 55.75,33.99 v1(55.75,32.49)
  Bottom w0.5: 55.75,31.75 v1(55.75,32.49) 55.21,33.03 C139.1
Net-(U102-VREF): length 8.2
  Top w0.32: v1(56.03,29.35) 57.25,29.35
  Top w0.4: C115.1 54.56,31.07 56.03,29.6 v1(56.03,29.35)
  Bottom w0.5: v1(56.03,29.35) 55.75,29.63 55.75,30.1
  Bottom w0.6: R123.1 55.72,29.97 C116.1
Net-(U102-~{IN}): length 3.2
  Top w0.3: U102.10 55.95,25.45 54.86,26.54 R122.2
Net-(U201-+): length 24.2
  Top w0.5: 46.16,75.46 46.1,75.41 R212.1 ; 46.16,75.46 46.16,77.9 ; 46.16,75.46 46.16,73.05 46.08,72.96 46.08,72.93 45.93,73.08 41.34,73.08 36.17,67.9 36.17,67.14 R214.1 ; R213.1 46.1,77.96 46.16,77.9 ; 46.16,77.9 C206.1
  Top w0.6: R209.2 34.45,66.03 34.64,66.22 36.62,66.22 37,65.84 U201.8
Net-(U201--): length 32.8
  Top w0.4: U201.1 36.21,59.57 ; 36.21,59.57 35.34,59.57 R210.2 ; 36.21,59.57 36.17,59.52 R215.1 36.17,56.87 35.76,56.46 33.83,56.46 33.32,55.96 33.32,51.28 34.64,49.96 46.03,49.96
  Top w0.5: R216.1 46.08,48.53 46.03,48.49 ; R217.1 46.03,51.03 ; 46.03,51.03 46.03,48.49 ; 46.03,51.03 46.03,53.3 R218.1 ; 46.03,48.49 C207.1
Net-(U201-VCM): length 14.3
  Top w0.4: U201.2 38.27,58.93 37.43,58.09 37.43,55.42 C204.1 37.48,55.37
  Top w0.6: 37.49,53.79 R204.1 37.57,55.18 C204.1 37.59,55.26 C203.1 36.12,53.84 R205.2 37.49,53.79
  Top w0.8: 36.83,55.01 37.08,55.26
  Top w1: 36.83,51.96 36.83,55.01
Net-(U202-DRVDD): length 8.1
  Top w0.32: U202.24 62.03,62.7 61.75,62.97 61.75,65.78 v1(61.92,65.95)
  Top w0.6: v1(61.92,65.95) 61.92,66.96 62.02,67.05
  Bottom w0.6: v1(61.92,65.95) 64.52,65.95 FB201.2
Net-(U202-IN): length 4
  Top w0.32: U202.9 56.35,60.1 56.03,60.43 56.03,61.19 55.52,61.69 54.38,61.69
Net-(U202-MODE): length 9.2
  Top w0.2: v1(57.08,66.47) 56.03,65.42 56.03,64.88 56.25,64.65 U202.2
  Bottom w0.4: v1(57.08,66.47) 57.08,66.92 58.16,68.01 R224.2
  Bottom w0.5: C240.1 58.17,70.41 R224.2
Net-(U202-REFB): length 10.4
  Top w0.3: U202.5 59.7,62.7 v1(59.9,62.9)
  Bottom w0.3: v1(59.9,62.9) 59.9,63.61
  Bottom w0.4: 58.95,65.17 58.95,63.62 ; C214.2 60.88,63.65 C221.2 59.12,63.62 C236.2
  Bottom w0.5: C236.2 58.88,63.73 C220.2
Net-(U202-REFT): length 9.7
  Top w0.3: U202.6 v1(59.92,62.05)
  Bottom w0.4: C211.2 C212.2 60.85,62.08 59.95,62.08 v1(59.92,62.05) 59.9,62.08 58.95,62.08
  Bottom w0.5: C236.1 57.43,61.9 C220.1
Net-(U202-SENSE): length 11.3
  Top w0.2: v1(56.03,66.78) 56.03,66.7 ; v1(56.03,66.78) 55.95,66.78 ; v1(56.03,66.78) 55.64,66.39 55.64,64.62 56.26,64 U202.3
  Top w0.4: SW203.1 58.5,69.25 v1(56.03,66.78)
  Bottom w0.32: v1(56.03,66.78) 55.62,66.37 R223.2
  Bottom w0.6: C239.1 55.15,67.65 v1(56.03,66.78)
Net-(U202-VREF): length 8.3
  Top w0.32: U202.4 56.02,63.35 v1(55.77,63.6)
  Top w0.4: v1(55.77,63.6) 54.56,64.82 C216.1
  Bottom w0.32: R223.1 55.62,63.75 v1(55.77,63.6)
  Bottom w0.5: R223.1 55.58,64.38 C215.1 52.45,64.38 C231.1
Net-(U202-~{IN}): length 3.1
  Top w0.32: U202.10 55.99,59.45 55.11,60.33 54.5,60.33
Net-(U203-+): length 7.5
  Top w0.5: U203.3 15.69,61.25 C244.1 C245.1 15.2,57.39 15.95,56.64 RV201.2
Net-(U203--): length 5.1
  Top w0.32: R227.2 17.97,61.69 U203.4 17.58,62.37 16.86,63.09 16.86,63.77 16.35,64.27 U203.1
Net-(U204-+): length 8.4
  Top w0.5: U204.3 16.64,37.29 16.1,36.75 C144.1 15.23,33.27 16.01,32.5 RV101.2
Net-(U204--): length 5.4
  Top w0.32: U204.4 18.53,38.38 17.8,39.12 17.8,39.88 17.39,40.28 U204.1
  Top w0.5: R127.2 18.5,38.29 18.59,38.38 U204.4
Net-(U301-FMT0): length 2.3
  Bottom w0.32: R305.2 29.39,54.3 29.39,56.31
Net-(U301-FSYNC): length 4.4
  Bottom w0.28: U301.9 32.64,64.32 33.32,65 34.51,65 34.97,64.54 R308.2
Net-(U301-PDWN_N): length 8.6
  Bottom w0.28: 31.34,63.32 31.34,65.1 32.15,65.91 35.5,65.91 36.49,64.92 36.49,63.99
Net-(U301-VINL): length 18.6
  Bottom w0.4: C305.2 20.83,51.6 21.93,52.69 21.93,59.24 23.62,60.93 26.66,60.93 27.44,61.71 U301.1
  Bottom w0.6: C305.2 20.83,50.57 C304.2
Net-(U301-VINR): length 11.9
  Bottom w0.4: U301.2 28.09,64.54 27.27,65.35 21.33,65.35
  Bottom w0.5: C302.2 21.01,64.64 C303.2 ; C302.2 21.01,65.04 21.33,65.35 ; C302.2 21.01,63.59 21.28,63.32
Net-(U301-VREF1): length 5.5
  Bottom w0.4: 28.27,66.73 C301.1 ; 28.27,66.73 28.27,65.32 28.74,64.85 28.74,63.32 ; 28.27,66.73 C306.1
Net-(U401-FMT0): length 2.3
  Bottom w0.32: 28.87,31.53 28.87,32.15 29.13,32.42 29.13,33.69
Net-(U401-FSYNC): length 5.4
  Bottom w0.32: R408.2 34.85,43.52 34.31,42.98 33.6,42.98 32.38,41.76 U401.9
Net-(U401-PDWN_N): length 4.8
  Bottom w0.32: R406.2 33.08,44.44 31.08,42.44 31.08,40.7
Net-(U401-VINL): length 5.5
  Bottom w0.4: C405.2 26.78,38.29 27.18,38.7 U401.1
  Bottom w0.5: C405.2 23.87,38.29
Net-(U401-VINR): length 9.7
  Bottom w0.4: U401.2 27.83,41.93 27.15,42.61 C402.2
  Bottom w0.5: C403.2 20.89,42.6 C402.2
Net-(U401-VREF1): length 5.5
  Bottom w0.4: 28.48,40.7 28.48,42.55 27.97,43.07 C406.1 27.97,45.92 C401.1
unconnected-(U3-A1-Pad3): length 0
  Top w0.4: 68.2,34.5 68.17,34.53
unconnected-(U4-A6-Pad8): length 0
  Top w0.4: 68.2,54.45 68.17,54.47

## Copper pours and planes (outline as drawn; the poured copper is in the pictures)
GND on Top: 0.15,84.86 149.85,84.86 149.85,5.16 0.15,5.16
GND on Bottom: 0.15,84.86 149.85,84.86 149.85,5.16 0.15,5.16
GND on In1.Cu: 0.15,84.86 149.85,84.86 149.85,5.16 0.15,5.16
GND on In2.Cu: 0.15,84.86 149.85,84.86 149.85,5.16 0.15,5.16

## Text on the board
B.Silkscreen: +5V | 1 | 2 | GND | +3.3V | AUX | CLOCK | MISRC v2.5
F.Silkscreen: EXT CLOCK OUTPUT / OSC DISABLE / EXT CLOCK INPUT | O: / X: / I: | I | X | O | (C) Harry Munday (C) Stefan Oltmanns  (C) peppi001 | ZERO / ADJUST | ZERO | S | 3 | 2 | 1 | 1  2  3 | AUDIO INPUT 1/2 | CPL A | IMP 1 | IMP 2 | CPL B | GAIN | RF INPUT 1 | RF INPUT 2 | AUDIO INPUT 3/4 | MISRC v2.5 2025
